# Allegro board 鱼骨.brd
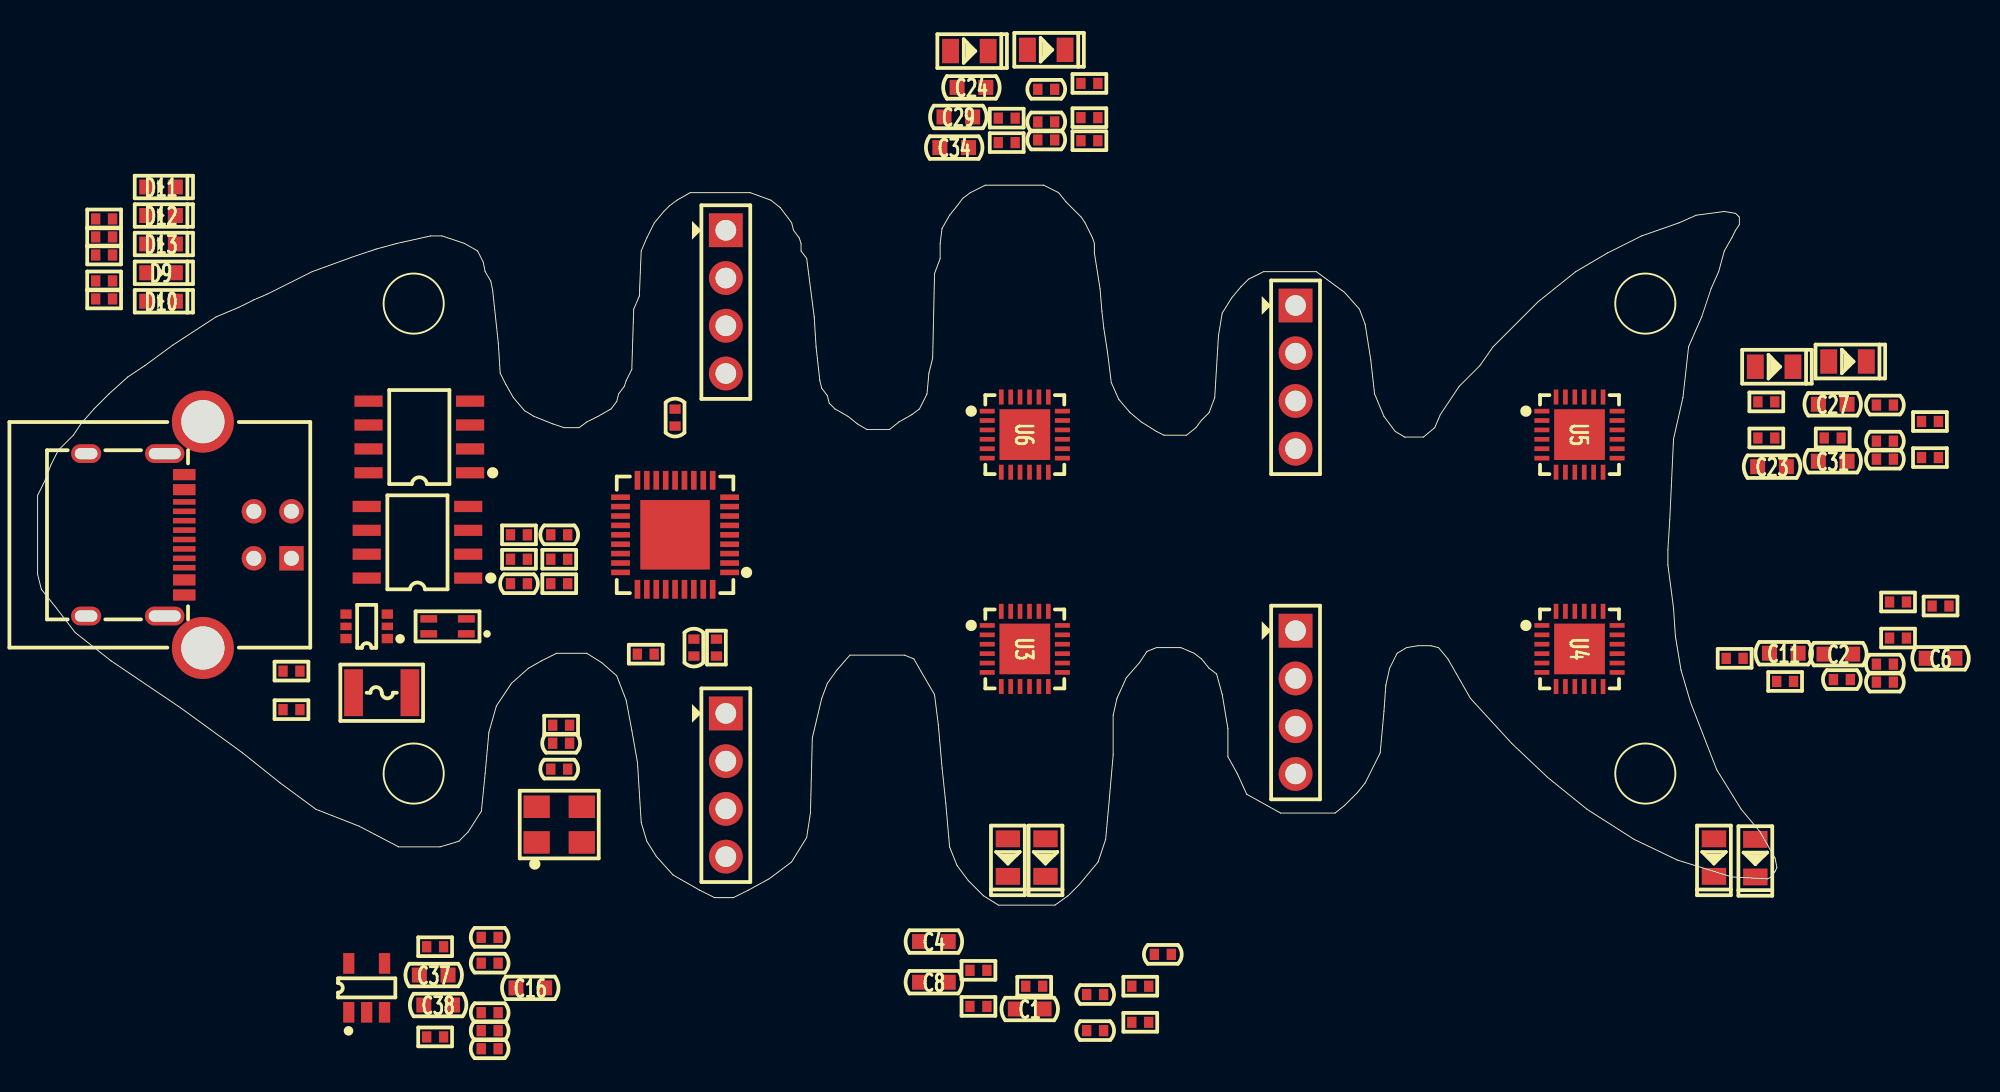
[diagram p0: board, top side]
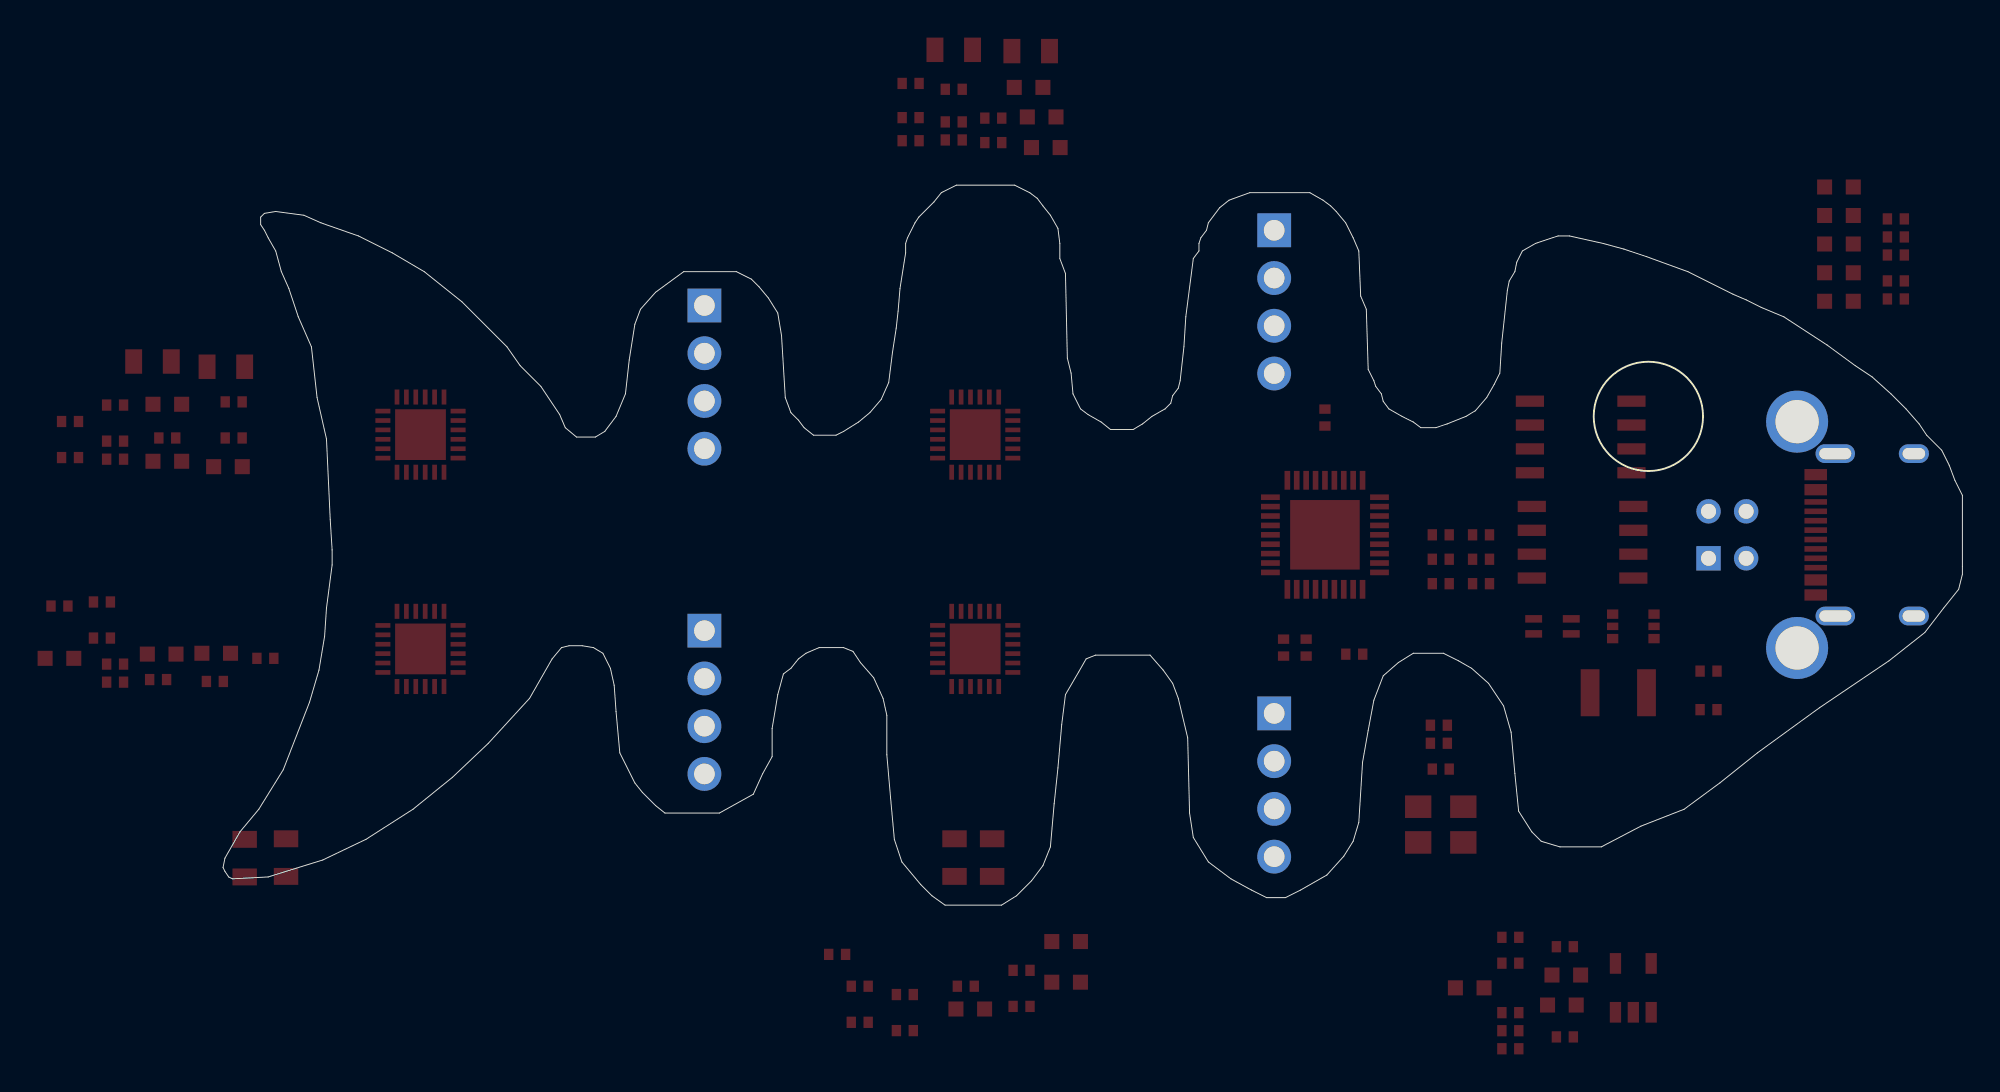
[diagram p1: board, bottom side, seen from below]

Outline 92.5 x 38.3 mm; copper layers: TOP, L02_GND, L03_VCC, BOTTOM. Coordinates in mm from the lower left corner of the outline.
Outline path: 0,21.8 0.4,22.6 0.7,23.4 1.1,24.2 1.9,25 2.3,25.6 3,26.4 3.8,27.2 4.8,28.1 5.7,28.7 7.2,29.8 9.5,31.3 10.7,31.8 11.5,32.2 12.2,32.5 14.6,33.7 16.8,34.5 18,34.9 19.1,35.2 20.9,35.6 21.5,35.6 22.7,35.2 23.4,34.8 23.7,34.2 23.8,33.7 24.1,33.2 24.2,32.7 24.5,29.9 24.6,28.3 24.9,27.7 25.3,27 25.9,26.3 26.4,26 27.4,25.6 28,25.4 28.8,25.4 29.2,25.7 29.8,26 30.5,26.4 30.8,26.8 30.9,27.2 31.2,27.6 31.3,27.9 31.6,28.5 31.7,31.7 32,32.4 32.1,34.8 32.4,35.5 32.8,36.3 33.3,36.9 33.6,37.2 34,37.5 34.7,37.9 37.9,37.9 39,37.5 39.5,37.1 40.1,36.3 40.2,35.9 40.5,35.5 40.6,35.2 40.6,34.8 40.9,34.4 41.3,31.3 41.4,29.7 41.6,27.9 41.7,27.5 42,27.1 42.1,26.7 42.4,26.4 43.1,26 43.6,25.6 44.1,25.3 45.3,25.3 45.8,25.7 46.5,26.1 46.9,26.4 47.3,27.2 47.4,28.3 47.6,29.1 47.7,33.6 48,34.4 48,35.2 48.1,36 48.5,36.7 48.9,37.2 49.2,37.6 49.6,37.9 50.4,38.3 53.5,38.3 54.3,37.9 54.7,37.4 55.5,36.6 55.7,36.3 56.1,35.5 56.2,35.2 56.2,34.7 56.5,32.8 56.6,31.6 56.7,30.7 56.9,29.4 57.1,27.8 57.5,26.9 58.1,26.2 58.7,25.7 59.5,25.2 59.9,25 61.1,25 61.6,25.4 61.9,25.8 62.3,26.2 62.6,27 62.8,30.3 63,31.5 63.5,32.3 64,32.9 64.4,33.3 65.2,33.7 68,33.7 69.5,32.6 70.3,31.7 70.6,30.9 70.9,29 71.1,27.2 71.6,26 72.2,25.2 72.7,24.9 73.7,24.9 74.3,25.4 74.6,26.1 75.6,27.6 76.7,28.7 77.4,29.7 79.8,32.1 81.8,33.7 83.5,34.7 85.3,35.6 87.3,36.3 88.2,36.7 89.7,36.9 90.3,36.8 90.5,36.6 90.5,36.2 90.3,35.9 90.1,35.5 89.7,34.8 89.4,33.7 89,32.8 88.5,31.3 87.8,29.7 87.5,27 87,24.8 86.8,20.5 86.7,18.9 86.7,18.1 87,15.8 87.1,14.3 87.4,12.5 87.9,10.8 89.3,7.2 90.6,5.1 91.6,3.9 92.4,2.5 92.5,2 92.4,1.8 92.2,1.5 92,1.4 90.1,1.5 87.2,2.4 84.9,3.5 82.4,5.1 80.3,6.8 78.4,8.6 76.2,11 75,13.1 74.5,13.7 74.1,13.8 73.4,13.8 72.8,13.7 72.3,13.4 71.9,12.6 71.7,11.7 71.6,10.3 71.4,8.1 70.6,6.5 70.2,6 69.5,5.3 69,4.9 66.1,4.9 64.3,5.9 63.8,7 63.3,7.9 63.3,9.4 63,11.2 62.7,12.3 62.3,12.6 61.9,13.1 61.5,13.4 60.8,13.7 59.5,13.7 59,13.5 58.6,12.9 57.9,12.1 57.4,11 57.2,10.1 57.2,8 57,5.7 56.8,3.5 56.4,2.3 55.4,1.1 54.8,0.5 54.1,0 51.1,0 50.3,0.5 49.5,1.3 48.9,2.1 48.5,3.1 48.3,5.4 48.1,7.3 47.9,9.6 47.7,11.2 47,12.4 46.6,13.1 46.1,13.3 43.2,13.3 42.5,12.5 42,11.8 41.7,11 41.2,8.9 41.1,4.9 40.9,3.6 40.1,2.3 38.9,1.4 37.8,0.8 37,0.4 36,0.4 35.2,0.8 33.8,1.6 32.9,2.6 32.4,3.4 32.1,4.4 31.9,7.6 31.6,9.3 31.3,10.9 30.8,12.2 30,12.9 29.2,13.4 27.6,13.4 26.8,13 26.1,12.6 25.2,11.8 24.4,10.6 24,9.2 23.8,7 23.6,5 22.9,3.9 22.4,3.4 21.4,3.1 19.2,3.1 17.1,4.2 14.8,5.1 12.9,6.5 10.9,8.1 7.6,10.5 3.9,13 2,14.5 1,15.8 0.2,16.8 0,17.6 0,21.8

## Design rules (mm)
constraint set DEFAULT: min track width 0.203, pair gap 0.203
net group USB_D: nets USB_DM USB_DP
net group USBDN1_D: nets USBDN1_DM USBDN1_DP
net group USBUP_D: nets USBUP_DM USBUP_DP

## Placement (name value [footprint] x y rotation side)
C1  10uF_10V  [C0603]  52.76 -5.52 0 top
C2  10uF_10V  [C0603]  95.76 13.36 0 top
C3  100nF_50V  [C0402]  25.6 17.1 0 top
C4  10uF_10V  [C0603]  47.66 -1.94 0 top
C5  100nF_50V  [C0402]  56.24 -4.75 0 top
C6  10uF_10V  [C0603]  101.2 13.13 0 top
C7  100nF_50V  [C0402]  95.95 12 0 top
C8  10uF_10V  [C0603]  47.66 -4.1 0 top
C9  100nF_50V  [C0402]  56.24 -6.67 0 top
C10  100nF_50V  [C0402]  59.84 -2.62 0 top
C11  10uF_10V  [C0603]  92.86 13.4 0 top
C12  100nF_50V  [C0402]  98.24 12.82 0 top
C13  100nF_50V  [C0402]  98.24 11.86 0 top
C14  100nF_50V  [C0402]  24.04 -1.71 0 top
C15  100nF_50V  [C0402]  24.04 -3.09 0 top
C16  10uF_10V  [C0603]  26.2 -4.4 0 top
C17  100nF_50V  [C0402]  34.9 13.7 90 top
C18  100nF_50V  [C0402]  24.04 -5.72 0 top
C19  100nF_50V  [C0402]  24.04 -6.68 0 top
C20  100nF_50V  [C0402]  24.04 -7.64 0 top
C21  100nF_50V  [C0402]  27.74 19.7 0 top
C22  100nF_50V  [C0402]  33.9 25.94 270 top
C23  10uF_10V  [C0603]  92.24 23.33 0 top
C24  10uF_10V  [C0603]  49.66 43.5 0 top
C25  12pF_50V  [C0402]  27.74 7.24 0 top
C26  12pF_50V  [C0402]  27.84 8.61 0 top
C27  10uF_10V  [C0603]  95.46 26.64 0 top
C28  100nF_50V  [C0402]  98.24 26.6 0 top
C29  10uF_10V  [C0603]  48.96 41.93 0 top
C30  100nF_50V  [C0402]  53.64 43.4 0 top
C31  10uF_10V  [C0603]  95.46 23.61 0 top
C32  100nF_50V  [C0402]  98.24 24.68 0 top
C33  100nF_50V  [C0402]  98.24 23.72 0 top
C34  10uF_10V  [C0603]  48.75 40.3 0 top
C35  100nF_50V  [C0402]  53.64 41.66 0 top
C36  100nF_50V  [C0402]  53.64 40.7 0 top
C37  10uF_10V  [C0603]  21.06 -3.72 0 top
C38  10uF_10V  [C0603]  21.3 -5.31 0 top
D1  LED_RED  [LED0805]  53.6 2.53 270 top
D2  LED_RED  [LED0805]  91.35 2.5 270 top
D3  LED_GREEN  [LED0805]  51.6 2.53 270 top
D4  LED_GREEN  [LED0805]  89.15 2.53 270 top
D5  LED_RED  [LED0805]  96.25 28.92 0 top
D6  LED_RED  [LED0805]  49.55 45.43 0 top
D7  LED_GREEN  [LED0805]  92.35 28.64 0 top
D8  LED_GREEN  [LED0805]  53.64 45.5 0 top
D9  LED_GREEN  [LED0603]  6.56 33.64 0 top
D10  LED_GREEN  [LED0603]  6.56 32.12 0 top
D11  LED_GREEN  [LED0603]  6.56 38.2 0 top
D12  LED_GREEN  [LED0603]  6.56 36.69 0 top
D13  LED_GREEN  [LED0603]  6.56 35.17 0 top
F1  SMD1210-200  [FUSE1210]  18.3 11.3 180 top
J1  -  [CN1X4-2P54-Z]  36.6 10.2 270 top
J2  -  [CN1X4-2P54-Z]  66.9 14.6 270 top
J3  -  [CN1X4-2P54-Z]  66.9 31.9 270 top
J4  -  [CN1X4-2P54-Z]  36.6 35.9 270 top
L1  ACM2012-900-2P-T002  [ACM2012]  21.8 14.83 180 top
NOREF  -  []  0 0 0 top
NOREF#2  -  []  0 0 90 top
R1  100K  [R0402]  21.14 -2.21 0 top
R2  4.7K  [R0402]  13.5 10.4 180 top
R3  100K  [R0402]  21.14 -7.01 0 top
R4  4.7K/NI  [R0402]  13.5 12.45 0 top
R5  4.7K  [R0402]  58.64 -4.31 0 top
R6  4.7K  [R0402]  98.94 16.13 0 top
R7  4.7K  [R0402]  58.64 -6.23 0 top
R8  4.7K  [R0402]  98.94 14.21 0 top
R9  1K  [R0402]  50.03 -3.47 0 top
R10  1K  [R0402]  90.25 13.13 0 top
R11  100K  [R0402]  25.6 19.7 0 top
R12  1K  [R0402]  50.03 -5.39 0 top
R13  1K  [R0402]  92.93 11.9 0 top
R14  100K  [R0402]  25.6 18.4 0 top
R15  100K  [R0402]  27.74 18.4 0 top
R16  100K  [R0402]  32.34 13.35 0 top
R17  100K  [R0402]  27.74 17.1 180 top
R18  12K  [R0402]  36.1 13.7 270 top
R19  10K  [R0402]  53 -4.31 0 top
R20  10K  [R0402]  101.2 15.91 0 top
R21  4.7K  [R0402]  100.64 25.73 0 top
R22  4.7K  [R0402]  51.54 40.56 0 top
R23  4.7K  [R0402]  100.64 23.81 0 top
R24  4.7K  [R0402]  55.93 40.66 0 top
R25  1K  [R0402]  91.93 26.77 0 top
R26  1K  [R0402]  55.93 43.71 0 top
R27  1K  [R0402]  91.93 24.85 0 top
R28  1K  [R0402]  55.93 41.89 0 top
R29  10K  [R0402]  3.54 36.5 0 top
R30  10K  [R0402]  3.54 32.25 0 top
R31  1M  [R0402]  27.84 9.57 0 top
R32  10K  [R0402]  3.54 35.55 0 top
R33  10K  [R0402]  3.54 34.59 0 top
R34  10K  [R0402]  95.46 24.85 0 top
R35  10K  [R0402]  51.54 41.87 0 top
R36  10K  [R0402]  3.54 33.21 0 top
U1  USB2514B_QFN36_MIN  [QFN36-6X6X0R5-3R7X3R7]  33.9 19.7 90 top
U2  TPD4E1U06DCKR  [SOT363]  17.5 14.83 90 top
U3  CP2104-F03-GM  [QFN24-4X4X0R5-2R7X2R7]  52.5 13.63 270 top
U4  CP2104-F03-GM  [QFN24-4X4X0R5-2R7X2R7]  82 13.63 270 top
U5  CP2104-F03-GM  [QFN24-4X4X0R5-2R7X2R7]  82 25.03 270 top
U6  CP2104-F03-GM  [QFN24-4X4X0R5-2R7X2R7]  52.5 25.03 270 top
U7  NX3225GA-24MHZ  [X-4P-3R2X2R5-SMD]  27.74 4.29 0 top
U8  MIC2026-1YM  [SOIC8]  20.3 24.9 90 top
U9  SPX3819M5-L-3-3/TR  [SOT23-5]  17.5 -4.4 0 top
U10  MIC2026-1YM  [SOIC8]  20.2 19.3 90 top
USB1  -  [TYPE-C-31-M-12]  7.8 19.7 270 top
USB2  -  [USB-B]  13.5 19.7 180 top

## Library data of the parts
C1 C2 C4-C13 C16 C23-C38 = CAP NP_2
C3 C14 C15 C17-C22 = CAP NP
D1-D13 = LED_4
F1 = FUSE
J1-J4 = CONN RCPT 4
L1 = 744822222_0
R1-R36 = R_Generic
U1 = USB2514B_QFN36_MIN
U2 = TPD4E1U06DBVR
U3-U6 = CP2104-F03-GM
U7 = TSX-3225
U8 U10 = MIC2026-1YM
U9 = SPX3819M5-L-1-2
USB1 = TYPE-C_16P
USB2 = USB-B

## Footprints (pads in the part's own frame, mm; a bottom-side part is the same pattern mirrored in y, then rotated)
ACM2012
  rect 0.9x0.4 smd: 1(-1,0.4) 2(-1,-0.4) 3(1,-0.4) 4(1,0.4)
C0402
  rect 0.5x0.6 smd: 1(-0.45,0) 2(0.45,0)
C0603
  rect 0.8x0.8 smd: 1(-0.762,0) 2(0.762,0)
CN1X4-2P54-Z
  rect 1.8x1.8 hole 1.1: 1(0,0)
  round 1.8 hole 1.1: 2(2.54,0) 3(5.08,0) 4(7.62,0)
FUSE1210
  rect 1x2.5 smd: 1(-1.5,0) 2(1.5,0)
LED0603
  rect 0.8x0.8 smd: 1(-0.762,0) 2(0.762,0)
LED0805
  rect 0.9x1.3 smd: 1(-1,0) 2(1,0)
QFN24-4X4X0R5-2R7X2R7
  rect 0.25x0.8 smd: 1(-1.25,-2) 2(-0.75,-2) 3(-0.25,-2) 4(0.25,-2) 5(0.75,-2) 6(1.25,-2) 13(1.25,2) 14(0.75,2) 15(0.25,2) 16(-0.25,2) 17(-0.75,2) 18(-1.25,2)
  rect 0.8x0.25 smd: 7(2,-1.25) 8(2,-0.75) 9(2,-0.25) 10(2,0.25) 11(2,0.75) 12(2,1.25) 19(-2,1.25) 20(-2,0.75) 21(-2,0.25) 22(-2,-0.25) 23(-2,-0.75) 24(-2,-1.25)
  rect 2.7x2.7 smd: 25(0,0)
QFN36-6X6X0R5-3R7X3R7
  rect 0.3x1 smd: 1(-2,-2.9) 2(-1.5,-2.9) 3(-1,-2.9) 4(-0.5,-2.9) 5(0,-2.9) 6(0.5,-2.9) 7(1,-2.9) 8(1.5,-2.9) 9(2,-2.9) 19(2,2.9) 20(1.5,2.9) 21(1,2.9) 22(0.5,2.9) 23(0,2.9) 24(-0.5,2.9) 25(-1,2.9) 26(-1.5,2.9) 27(-2,2.9)
  rect 1x0.3 smd: 10(2.9,-2) 11(2.9,-1.5) 12(2.9,-1) 13(2.9,-0.5) 14(2.9,0) 15(2.9,0.5) 16(2.9,1) 17(2.9,1.5) 18(2.9,2) 28(-2.9,2) 29(-2.9,1.5) 30(-2.9,1) 31(-2.9,0.5) 32(-2.9,0) 33(-2.9,-0.5) 34(-2.9,-1) 35(-2.9,-1.5) 36(-2.9,-2)
  rect 3.7x3.7 smd: 37(0,0)
R0402
  rect 0.5x0.6 smd: 1(-0.45,0) 2(0.45,0)
SOIC8
  rect 0.6x1.5 smd: 1(-1.9,-2.7) 2(-0.63,-2.7) 3(0.64,-2.7) 4(1.91,-2.7) 5(1.91,2.7) 6(0.64,2.7) 7(-0.63,2.7) 8(-1.9,2.7)
SOT23-5
  rect 0.6x1.1 smd: 1(-0.95,-1.3) 2(0,-1.3) 3(0.95,-1.3) 4(0.95,1.3) 5(-0.95,1.3)
SOT363
  rect 0.5x0.6 smd: 1(-0.65,-1.1) 3(0.65,-1.1) 4(0.65,1.1) 6(-0.65,1.1)
  rect 0.4x0.6 smd: 2(0,-1.1) 5(0,1.1)
TYPE-C-31-M-12
  rect 0.6x1.2 smd: 1(-3.2,0) 2(-2.4,0) 11(2.4,0) 12(3.2,0)
  rect 0.3x1.2 smd: 3(-1.75,0) 4(-1.25,0) 5(-0.75,0) 6(-0.25,0) 7(0.25,0) 8(0.75,0) 9(1.25,0) 10(1.75,0)
  oval 1x2.1 hole 0.6x1.7: 13(-4.32,-1.04) 14(4.32,-1.04)
  oval 1x1.6 hole 0.6x1.2: 15(-4.32,-5.22) 16(4.32,-5.22)
USB-B
  rect 1.3x1.3 hole 0.8: 1(0,1.25)
  round 1.3 hole 0.8: 2(0,-1.25) 3(2,-1.25) 4(2,1.25)
  round 3.3 hole 2.3: 5(4.71,6.02) 6(4.71,-6.02)
X-4P-3R2X2R5-SMD
  rect 1.4x1.2 smd: 1(-1.2,-0.95) 2(1.2,-0.95) 3(1.2,0.95) 4(-1.2,0.95)

## Nets
GND: C1.1 C2.1 C3.1 C4.1 C5.1 C6.1 C7.1 C8.1 C9.1 C10.1 C11.1 C12.1 C13.1 C14.1 C15.1 C16.2 C17.1 C18.1 C19.1 C20.1 C21.1 C22.1 C23.1 C24.1 C25.1 C26.1 C27.1 C28.1 C29.1 C30.1 C31.1 C32.1 C33.1 C34.1 C35.1 C36.1 C37.2 C38.2 D9.2(CATHODE) D10.2(CATHODE) D11.2(CATHODE) D12.2(CATHODE) D13.2(CATHODE) J1.1 J2.1 J3.1 J4.1 R2.1 R3.1 R4.2 R11.1 R14.1 R15.1 R16.1 R18.2 U1.11 U1.37 U2.2 U2.5(NC) U3.2 U3.25 U4.2 U4.25 U5.2 U5.25 U6.2 U6.25 U7.2 U7.4 U8.6 U9.2 U10.6 USB1.1 USB1.12 USB1.13 USB1.14 USB1.15 USB1.16 USB2.4 USB2.5 USB2.6
VCC_3.3V: C14.2 C15.2 C16.1 C18.2 C19.2 C20.2 C21.2 C38.1 J1.2 J2.2 J3.2 J4.2 R17.1 U1.5 U1.10 U1.15 U1.23 U1.29 U1.36 U9.5(VOUT)
VCC_3.3V_1: C4.2 C5.2 R5.2 R7.2 R19.2 U3.5 U3.6
VCC_3.3V_2: C6.2 C7.2 R6.2 R8.2 R20.2 U4.5 U4.6
VCC_3.3V_3: C27.2 C28.2 R21.2 R23.2 R34.2 U5.5 U5.6
VCC_3.3V_4: C29.2 C30.2 R22.2 R24.2 R35.2 U6.5 U6.6
VCC_5V_VBUS: C37.1 F1.1 R1.1 R29.2 U8.7 U9.1 U9.3 U10.7
VCC_PWR1: C8.2 C9.2 R30.2 U3.7 U3.8 U8.8
VCC_PWR2: C11.2 C12.2 R32.2 U4.7 U4.8 U8.5(OUTB)
VCC_PWR3: C31.2 C32.2 R33.2 U5.7 U5.8 U10.8
VCC_PWR4: C34.2 C35.2 R36.2 U6.7 U6.8 U10.5(OUTB)
VCC_VBUS: F1.2 USB1.2 USB1.11(VBUS2) USB2.1(VBUS)
1_RX: J1.3 R12.1
1_RXD: D3.2(CATHODE) R12.2 U3.20
1_TX: J1.4 R9.1
1_TXD: D1.2(CATHODE) R9.2 U3.21
2_RX: J2.3 R13.1
2_RXD: D4.2(CATHODE) R13.2 U4.20
2_TX: J2.4 R10.1
2_TXD: D2.2(CATHODE) R10.2 U4.21
3_RX: J3.3 R27.1
3_RXD: D7.2(CATHODE) R27.2 U5.20
3_TX: J3.4 R25.1
3_TXD: D5.2(CATHODE) R25.2 U5.21
4_RX: J4.3 R28.1
4_RXD: D8.2(CATHODE) R28.2 U6.20
4_TX: J4.4 R26.1
4_TXD: D6.2(CATHODE) R26.2 U6.21
OCS_N1: U1.13 U8.2
OCS_N2: U1.17 U8.3
OCS_N3: U1.19 U10.2
OCS_N4: U1.21 U10.3
PRTPWR1: U1.12 U8.1
PRTPWR2: U1.16 U8.4
PRTPWR3: U1.18 U10.1
PRTPWR4: U1.20 U10.4
RESETN: C3.2 R17.2 U1.26
USB_DM: L1.3 U2.3 U2.4 USB1.5 USB1.7 USB2.2
USB_DP: L1.4 U2.1 U2.6 USB1.6 USB1.8 USB2.3
USBDN1_DM: U1.1 U3.4
USBDN1_DP: U1.2 U3.3
USBDN2_DM: U1.3 U4.4
USBDN2_DP: U1.4 U4.3
USBDN3_DM: U1.6 U5.4
USBDN3_DP: U1.7 U5.3
USBDN4_DM: U1.8 U6.4
USBDN4_DP: U1.9 U6.3
USBUP_DM: L1.2 U1.30
USBUP_DP: L1.1 U1.31
XTAL1: C25.2 R31.2 U1.33 U7.1
XTAL2: C26.2 R31.1 U1.32(XTAL2/CLKIN_EN) U7.3(OUT2)
N17371022: D9.1 R29.1
N17384741: R1.2 R3.2 U1.27
N17384990: R16.2 U1.28
N17385565: C17.2 U1.34
N17385621: C22.2 U1.14
N17386850: R18.1 U1.35
N17387208: R11.2 U1.22
N17387211: R14.2 U1.24
N17387214: R15.2 U1.25
N17388288: D10.1 R30.1
N17388415: D11.1 R32.1
N17388544: D12.1 R33.1
N17388675: D13.1 R36.1
N17394522: R2.2 USB1.4
N17394640: R4.1 USB1.10
N17411939: C1.2 U3.16(VPP)
N17412003: C10.2 R19.1 U3.9
N17413251: D1.1 R5.1
N17413274: D3.1 R7.1
N17417091: D2.1 R6.1
N17417138: D4.1 R8.1
N17417225: C2.2 U4.16(VPP)
N17417293: C13.2 R20.1 U4.9
N17418237: D5.1 R21.1
N17418261: D6.1 R22.1
N17418335: D7.1 R23.1
N17418345: D8.1 R24.1
N17418508: C23.2 U5.16(VPP)
N17418513: C24.2 U6.16(VPP)
N17418635: C33.2 R34.1 U5.9
N17418661: C36.2 R35.1 U6.9

Pads without a net: U3 1 10 11 12 13 14 15 17 18 19 22 23 24; U4 1 10 11 12 13 14 15 17 18 19 22 23 24; U5 1 10 11 12 13 14 15 17 18 19 22 23 24; U6 1 10 11 12 13 14 15 17 18 19 22 23 24; U9 4; USB1 3 9
